# Altium PCB tagIT_pcb.PcbDoc (part 1 of 2)
Units mil, origin at the board's own origin, x right, y up, seen from the top; angles counter-clockwise.
Board outline 2360 x 1710 mil, 2 copper layers (Top Layer, Bottom Layer); 112 components, 75 nets, 348 pads, 298 vias.
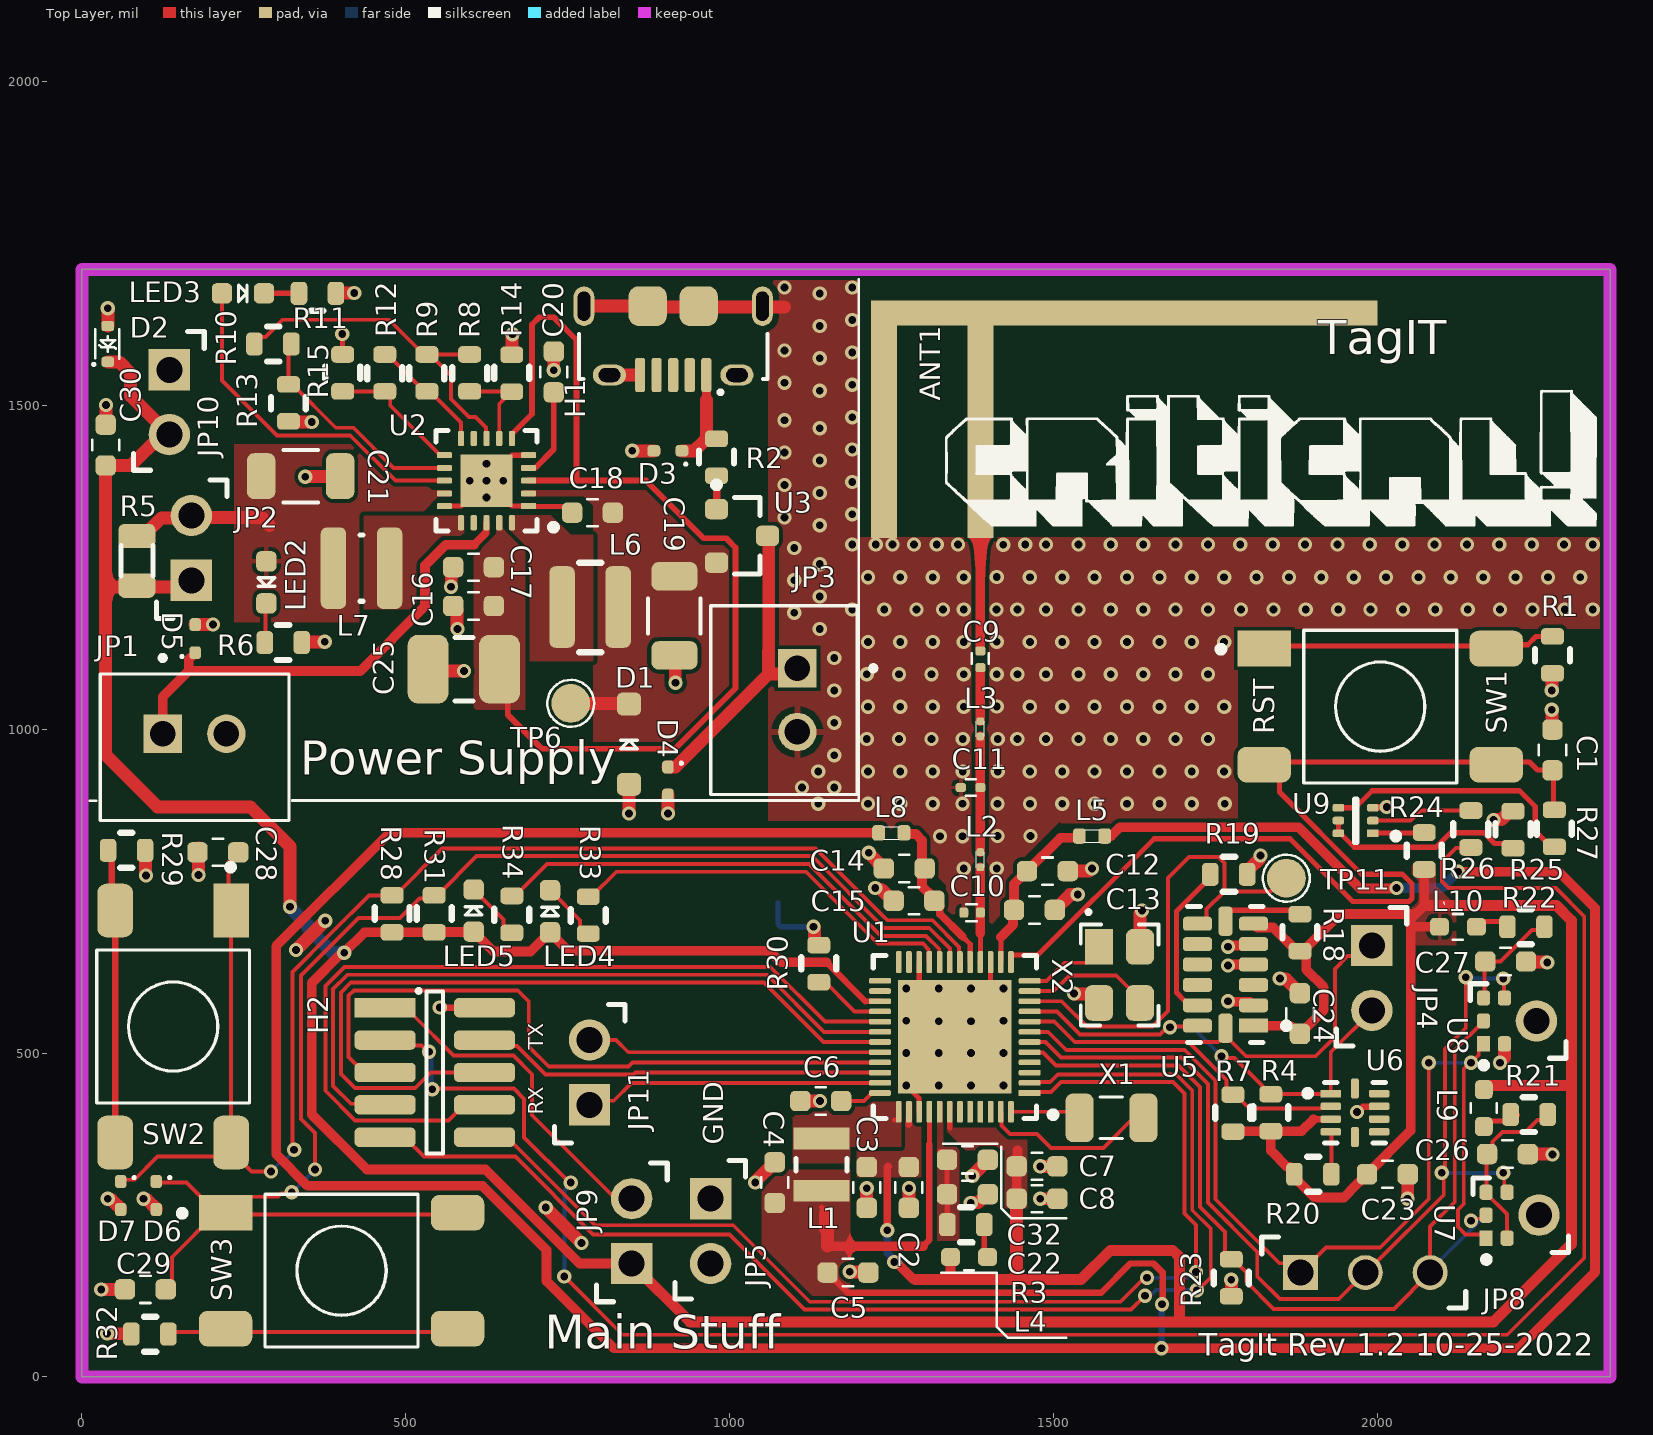
[diagram p0: Top Layer view]
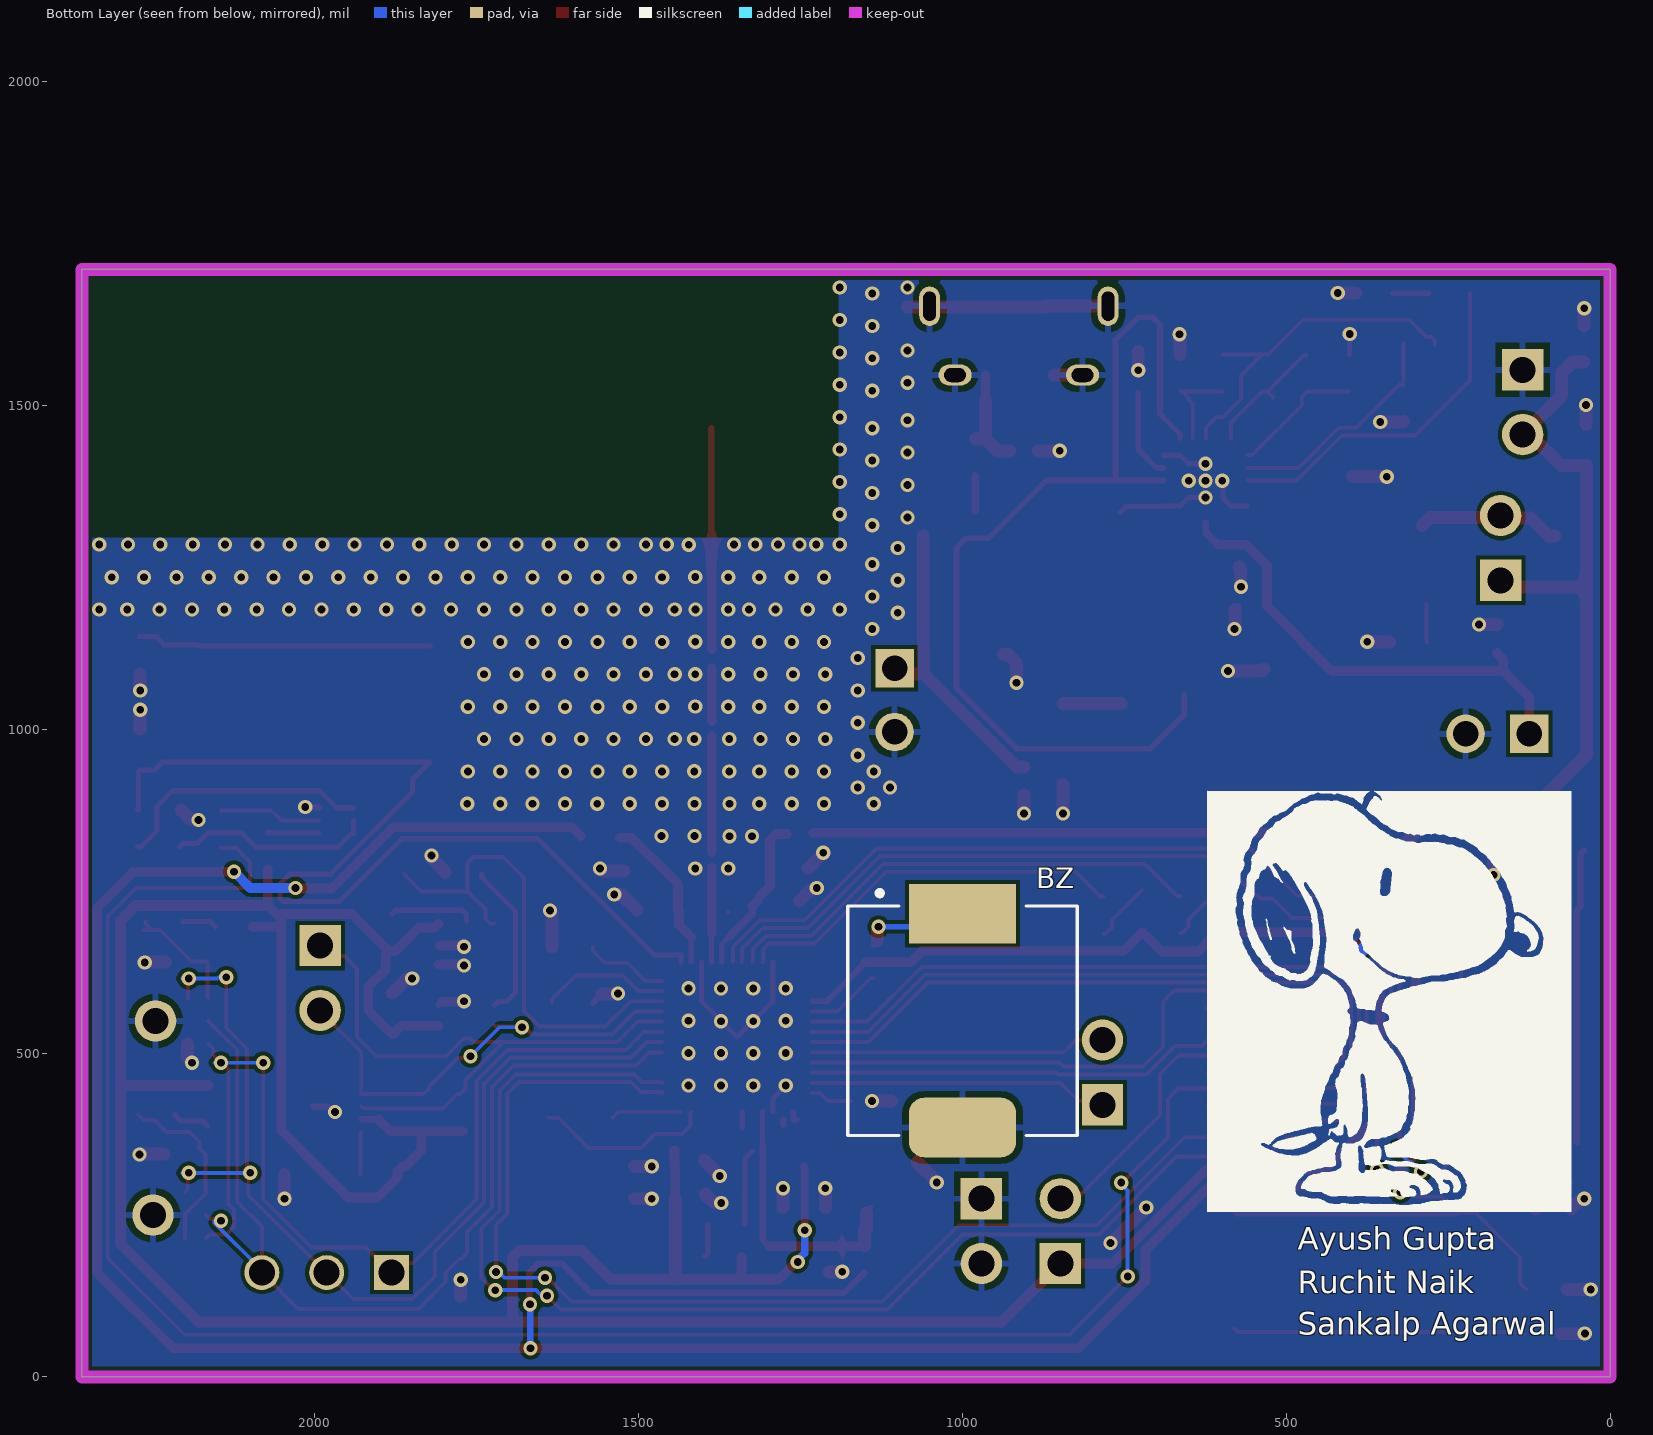
[diagram p1: Bottom Layer view, seen from below]

## Layer stack, top to bottom
Top Solder: solder mask 0.4, Solder Resist, Dk 3.5
Top Layer: signal copper 1.4
Dielectric 1: dielectric 12.6, FR-4, Dk 4.8
Bottom Layer: signal copper 1.4
Bottom Solder: solder mask 0.4, Solder Resist, Dk 3.5

## Board outline
0,0 0,1710 2360,1710 2360,0

## Design rules (kind name [scope] priority, off if disabled: settings)
BoardOutlineClearance [All] p1: gap=10 ignorepadtopadclearanceinfootprint=FALSE except(0: Arc-SplitContinuation Track-SplitContinuation SMDPad-SplitContinuation THPad-SplitContinuation Via-SplitContinuation Fill-SplitContinuation Poly-SplitContinuation Region-SplitContinuation Text-SplitContinuation)
Clearance [All] p1: gap=6 ignorepadtopadclearanceinfootprint=FALSE
MinimumSolderMaskSliver [All] p1: minsoldermaskwidth=1
PolygonConnect [All] p1: thpad.connectstyle=Relief thpad.reliefconductorwidth=10 thpad.reliefentries=4 thpad.polygonreliefangle="90 Angle" thpad.airgapwidth=10 smdpad.connectstyle=Direct smdpad.reliefconductorwidth=10 smdpad.reliefentries=4 smdpad.polygonreliefangle="90 Angle" smdpad.airgapwidth=10 via.connectstyle=Direct via.reliefconductorwidth=10 via.reliefentries=4 via.polygonreliefangle="90 Angle" via.airgapwidth=10
RoutingVias [All] p1: holewidth=12 width=22 viastyle="Through Hole" minholewidth=12 minwidth=14 maxholewidth=16 maxwidth=22
SilkToSolderMaskClearance [IsPad] p1: minsilkscreentomaskgap=1 clearancetoexposedcopper=TRUE
SolderMaskExpansion [All] p1: expansion=4 istentingtop=FALSE
Width [All] p1: maxlimit=25 minlimit=6 preferedwidth=6 minimp=50.000000 maximp=50.000000 favimp=50.000000
28 further rules are at their usual default settings.

## Classes and differential pairs
component class Designator: C16 C17 C18 C19 C20 C21 C25 C30 D1 D2 D3 D4 D5 H1 JP1 JP2 JP3 JP10 L6 L7 LED2 LED3 R2 R5 R6 R8 R9 R10 R11 R12 R13 R14 R15 TP6 U2 U3

## Components (designator, comment, footprint, x,y, rotation, side; value= is the part's Value field where it differs from the comment)
ANT1 "INV_F_ANT" Inv_F_ANT 1218.5,1296.2 r0 top net-tie
BZ "65dB" BUZZER 1000,550 r180 bottom
C1 "0.1uF 10V" CAP0603X08 2271,968 r90 top
C2 "1uF 6.3V" CAP0603X08 1277,292.5 r90 top
C3 "0.1uF 10V" CAP0603X08 1212,292.5 r270 top
C4 "4.7uF" CAP0603X08 1070,300 r270 top
C5 "0.1uF" CAP0603X08 1183,161 r0 top
C6 "2.2uF 6.3V" CAP0603X08 1141,426 r0 top
C7 "1uF 6.3V" CAP0603X08 1475,325 r180 top
C8 "0.1uF 10V" CAP0603X08 1475,275 r0 top
C9 "18pF 25V" CAP0201X03#1 1387.5,1108 r90 top
C10 "2.3pF 50V" CAP0201X03#1 1374.7,716.81 r180 top
C11 "1.6pF 50V" CAP0201X03#2 1372.36,910.04 r0 top
C12 "2.2uF" CAP0603X08 1491,781 r180 top
C13 "18pF 2%" CAP0603X08 1471,721 r180 top
C14 "1uF" CAP0603X08 1270,785 r0 top
C15 "120 pF ±10%" CAP0603X08 1285,735 r0 top
C16 "10nF 10V" CAP0603X08 604.8,1190.38 r180 top
C17 "4.7uF 16V" CAP0603X08 604.8,1250.38 r180 top
C18 "4.7uF 16V" CAP0603X08 788.52,1334.54 r0 top
C19 "22uF 16V" CAP1206X18 915,1175 r90 top
C20 "10nF 10V" CAP0603X08 728.8,1551.79 r270 top
C21 "22uF 16V" CAP1206X18 337.8,1390.79 r180 top
C22 "10nF 10V" CAP0603X08 1367.5,282 r180 top
C23 "10uF 25V" CAP0603X08 2016,312.82 r0 top
C24 "10uF 25V" CAP0603X08 1881,561 r270 top
C25 "1uf 100V" CAPC_1210 589.8,1092.79 r180 top
C26 "10uF" CAP0603X08 2201.5,344 r180 top
C27 "10uF" CAP0603X08 2198.62,641.3 r180 top
C28 "1nF 50V" CAP0603X08 210,810 r0 top
C29 "1nF 50V" CAP0603X08 98,135 r0 top
C30 "10uF 25V" CAP0603X08 36.8,1438.79 r270 top
C32 "10uF" CAP0603X08 1367.5,335 r180 top
D1 "4.7V" SOD-123-2P 845,977.01 r270 top
D2 "3V 300mW" SOD-523 40,1595 r90 top
D3 "TVS" SOD_723 905,1430 r180 top
D4 "TVS" SOD_723 905,920 r270 top
D5 "TVS" SOD_723 175,1140 r90 top
D6 "TVS" SOD_723 115,280 r270 top
D7 "TVS" SOD_723 60,280 r270 top
H1 "USB MICRO B RECPT" MICROUSB_AMPHENOL_10118194-0001LF 913.14,1653.35 r180 top
H2 "Debug Port" Amphenol_20021121_0 545,470 r0 top
JP1 "JST_F_250MM" JST_F250MM 174,993 r180 top
JP2 "0901310121" 2_PIN_2_54_MALE_HDR 170,1280 r90 top
JP3 "JST_F_250MM" JST_F250MM 1105,1045 r90 top
JP4 "0901310121" 2_PIN_2_54_MALE_HDR 1991,616 r270 top
JP5 "GND" 2_PIN_2_54_MALE_HDR 970,225 r270 top
JP8 "22-28-4036" 3_PIN_2_54_MALE_HDR 1982,161 r0 top
JP9 "0901310121" 2_PIN_2_54_MALE_HDR 850,225 r90 top
JP10 "0901310121" 2_PIN_2_54_MALE_HDR 134.02,1505 r270 top
JP11 "0901310121" 2_PIN_2_54_MALE_HDR 785,470 r90 top
L1 "2.2uH 1.9A" INDC1008x47 1141.92,327.6 r270 top
L2 "2.5nH 600mA" INDC0603X016#1 1387.5,798.54 r90 top
L3 "1.7nH 800mA" INDC0603X016#2 1387.5,1000.54 r90 top
L4 "742792631" DIODE_0603 1370,185 r0 top
L5 "74279277" INDC0402x20 1560,835 r180 top
L6 "22uH 500mA" INDP2828X30 784.8,1188.79 r180 top
L7 "10uH 650mA" INDP2828X15 431.8,1248.79 r180 top
L8 "74279277" INDC0402x20 1250,840 r0 top
L9 "742792631" DIODE_0603 2165,415 r270 top
L10 "742792631" DIODE_0603 2125,695 r0 top
LED2 "RED" LED0603X08 284.8,1226.79 r270 top
LED3 "RED" LED0603X08 248.8,1673.21 r0 top
LED4 "RED" LED0603X08 723,719 r90 top
LED5 "RED" LED0603X08 605,720 r90 top
R1 "100R" RES0603X18 2271,1114.79 r90 top
R2 "22 Ohm 0.1W" RES0603X18 980,1420 r270 top
R3 "1R 0.125W" RES0603X18 1365,235 r180 top
R4 "2.8k" RES0603X18 1836,407.82 r270 top
R5 "1R 0.5W sense res" RESC0805x18 85,1260 r270 top
R6 "100R 1/16W" RES0603X18 311,1134 r0 top
R7 "2.8k" RES0603X18 1777.47,407.33 r270 top
R8 "7.32M 0.1W" RES0603X18 598.8,1550.21 r90 top
R9 "412K 0.1W" RES0603X18 532.8,1550.21 r90 top
R10 "7.68M 0.1W" RES0603X18 295,1595 r180 top
R11 "100R 1/16W" RES0603X18 363.8,1673.21 r0 top
R12 "7.5MOhm 1/10W" RES0603X18 467.8,1550.21 r90 top
R13 "5.23M 0.1W" RES0603X18 319,1504 r90 top
R14 "5.49M 0.1W" RES0603X18 663.8,1549.79 r270 top
R15 "4.99M 0.1W" RES0603X18 402.8,1550.21 r270 top
R18 "10k 1/16W" RES0603X18 1881,686 r270 top
R19 "10k 1/16W" RES0603X18 1771,776 r180 top
R20 "10k 1/16W" RES0603X18 1901,312.82 r180 top
R21 "1R 0.125W" RES0603X18 2235,405 r0 top
R22 "1R 0.125W" RES0603X18 2230,695 r0 top
R23 "100k 0.1W" RES0603X18 1775,153 r90 top
R24 "10k 1/16W" RES0603X18 2073,812 r270 top
R25 "100R 1/10W" RES0603X18 2210,845 r270 top
R26 "100R 1/10W" RES0603X18 2145,846 r90 top
R27 "10k 1/16W" RES0603X18 2273.93,846.85 r90 top
R28 "1M 0.1W" RES0603X18 479,715 r270 top
R29 "100R 1/10W" RES0603X18 69,813 r0 top
R30 "100R 1/10W" RES0603X18 1138,638 r270 top
R31 "1M 0.1W" RES0603X18 544,715 r270 top
R32 "100R 1/10W" RES0603X18 105,66 r180 top
R33 "100R 1/16W" RES0603X18 782,713 r90 top
R34 "100R 1/16W" RES0603X18 664,714 r90 top
SW1 "RST" PUSH_BUTTON_4_50MM 2005,1035 r0 top
SW2 "SPST" PUSH_BUTTON_4_50MM 141,541 r270 top
SW3 "B1" PUSH_BUTTON_4_50MM 401,164 r0 top
TP6 "Test_Point" TEST_POINT 755,1040 r90 top
TP11 "Test_Point" TEST_POINT 1860,770 r90 top
U1 "EFR32MG24B310F1536IM48-B" QFN48_6MM_6MM_P040MM 1348.13,524.87 r180 top
U2 "BQ25570RGRT" QFN_20_04MM 624.84,1383.9 r180 top
U3 "SDM40E20LC-7" SOT105P240X120-3N 1019.37,1298.66 r270 top
U5 "ADXL343BCCZ-RL" QFN_14_5x3mm 1766,621 r180 top
U6 "Si1145-A10-GMR" QFN_10_2.00x2.00mm 1966,407.82 r0 top
U7 "ICS-43434" 6-Terminal_Chip_Array 2224,250 r90 top
U8 "ICS-43434" 6-Terminal_Chip_Array 2220,550 r90 top
U9 "NTZD3155CT1G" SOT-563 1967,859 r180 top
X1 "32.768kHz" XTAL_ECS-.327-7-34B-TR 1590,400 r180 top
X2 "39MHz" OSC_38.4MHz 1602.5,620.69 r270 top

## Footprints (in the part's own frame and the unit in brackets; to place one, negate y for a bottom-side part, rotate by r counter-clockwise, add the part's x,y. Pads: shape width x height; smd on the part's side, far side on the other; paste and mask are expansions set on the pad)
2_PIN_2_54_MALE_HDR [mm] "CONN HEADER VERT 2POS 2.54MM"
  rect 1.62x1.62 hole 1.02: 1(-1.27,0.025)
  round 1.62 hole 1.02: 2(1.27,0.025)
  silkscreen extent -2.77,-1.37 2.67,1.4, body extent -2.66,-1.26 2.55,1.28, height 8.38
3_PIN_2_54_MALE_HDR [mm] "CONN HEADER VERT 3POS 2.54MM"
  rect 1.37x1.37 hole 1.02: 1(-2.54,0)
  round 1.37 hole 1.02: 2(0,0) 3(2.54,0)
  silkscreen extent -4.06,-1.4 3.94,1.4, body extent -3.94,-1.27 3.81,1.27, height 8.38
6-Terminal_Chip_Array [mm] "6-Terminal Chip Array Small Outline No Lead Cavity 3.50× 2.65× 0.98mm Body"
  rect 0.6x0.522 smd paste-0.05: 1(-0.91,1.411)
  rrect50% 0.6x0.522 smd paste-0.05 mask+0.102: 2(-0.91,0.589) 4(0.89,0.589) 5(0.89,1.411) 6(-0.01,1.411)
  round 1.62 hole 1.02: 3(-0.009,-0.663)
  silkscreen extent -1.87,-1.83 1.45,1.93, body extent -1.33,-1.75 1.33,1.75, height 0.98
Amphenol_20021121_0 [mm]
  rect 2.4x0.76 smd paste+0 mask+0.051: 1(-1.95,2.54)
  rrect50% 2.4x0.76 smd paste+0 mask+0.051: 2(1.95,2.54) 3(-1.95,1.27) 4(1.95,1.27) 5(-1.95,0) 6(1.95,0) 7(-1.95,-1.27) 8(1.95,-1.27) 9(-1.95,-2.54) 10(1.95,-2.54)
  silkscreen extent -0.71,-3.17 0.33,3.28, body extent -2.75,-3.17 2.75,3.17, height 4.51
BUZZER [mil]
  rect 165.35x92 smd: 1(0,165)
  rrect50% 165.35x92 smd: 2(0,-165)
  silkscreen extent -177,-177 177,201, body extent -177,-182 177,182, height 75
CAP0201X03#1 [mm] "Chip Capacitor, 2-Leads, Body 0.60x0.30mm, IPC Medium Density"
  rrect50% 0.35x0.4 smd mask+0.07: 1(-0.325,0) 2(0.325,0)
  silkscreen extent -0.18,-0.33 0.23,0.33, body extent -0.32,-0.17 0.32,0.17, height 0.33
CAP0201X03#2 [mm] "Chip Capacitor, 2-Leads, Body 0.60x0.30mm, IPC Medium Density"
  rrect50% 0.4x0.35 smd mask+0.07: 1(-0.385,0) 2(0.385,0)
  silkscreen extent -0.2,-0.33 0.21,0.33, body extent -0.32,-0.17 0.32,0.17, height 0.33
CAP0603X08 [mm] "Chip Capacitor, 2-Leads, Body 1.60x0.80mm, IPC Medium Density"
  rrect50% 0.8x0.8 smd mask+0.102: 1(-0.8,0)
  rrect50% 0.8x0.8 smd: 2(0.8,0)
  silkscreen extent -0.2,-0.53 0.2,0.53, body extent -0.9,-0.5 0.9,0.5, height 1
CAP1206X18 [mil]
  rrect50% 44x70.98 smd paste+0: 1(-61,0)
  rrect50% 44x71 smd paste+0: 2(61,0)
  silkscreen extent -27,-40 27,40, body extent -69,-36 69,36, height 71
CAPC_1210 [mm] "Chip Capacitor, 2-Leads, Body 3.20x2.50mm, IPC Medium Density"
  rrect50% 1.6x2.7 smd: 1(-1.4,0) 2(1.4,0)
  silkscreen extent -0.35,-1.25 0.35,1.25, body extent -1.7,-1.35 1.7,1.35, height 1.35
DIODE_0603 [mm]
  rrect50% 0.74x0.7 smd: 1(-0.725,0) 2(0.725,0)
  silkscreen extent -0.19,-0.52 0.19,0.5, body extent -0.8,-0.5 0.8,0.5, height 1
INDC0402x20 [mm] "Chip Inductor, 2-Leads, Body 1.00x0.50mm, IPC Medium Density"
  rrect50% 0.5x0.6 smd: 1(-0.5,0) 2(0.5,0)
  silkscreen extent -0.31,-0.24 0.31,0.24, body extent -0.48,-0.23 0.48,0.23, height 0.55
INDC0603X016#1 [mm] "Chip Inductor, 2-Leads, Body 0.60x0.30mm, IPC Medium Density"
  rrect50% 0.3x0.3 smd: 1(-0.3,0)
  rrect50% 0.3x0.3 smd mask+0.102: 2(0.3,0)
  silkscreen extent -0.31,-0.16 0.31,0.16, body extent -0.29,-0.14 0.29,0.14, height 0.42
INDC0603X016#2 [mm] "Chip Inductor, 2-Leads, Body 0.60x0.30mm, IPC Medium Density"
  rrect50% 0.3x0.3 smd mask+0.102: 2(0.3,0)
  rrect50% 0.3x0.3 smd: ""(-0.3,0)
  silkscreen extent -0.31,-0.16 0.31,0.16, body extent -0.29,-0.14 0.29,0.14, height 0.42
INDC1008x47 [mm] "Chip Inductor, 2-Leads, Body 2.50x2.00mm, IPC Medium Density"
  rect 0.85x2.2 smd: 1(-1.025,0) 2(1.025,0)
  silkscreen extent -0.25,-1 0.25,1, body extent -1.15,-0.9 1.15,0.9, height 1.2
INDP2828X15 [mm] "Precision Wire Wound Inductor, 2-Leads, Body 2.78x2.78mm, IPC Medium Density"
  rrect50% 1x3.2 smd: 1(-1.1,0) 2(1.1,0)
  silkscreen extent -0.05,-1.3 0.05,1.3, body extent -1.49,-1.39 1.49,1.39, height 1.6
INDP2828X30 [mm] "Precision Wire Wound Inductor, 2-Leads, Body 2.80x2.80mm, IPC Medium Density"
  rrect50% 1x3.2 smd: 1(-1.1,0) 2(1.1,0)
  silkscreen extent -0.43,-1.73 0.43,1.78, body extent -1.4,-1.4 1.4,1.4, height 2.8
Inv_F_ANT [mil]
  rect 40x338 smd paste-20 mask+4: FEED(169,168.5) GND(20,168.5)
  rect 782x39 smd paste-19.5 mask+4: FEED(391,346.5)
JST_F250MM [mm]
  rect 1.508x1.508 hole 1: 1(1.25,0)
  round 1.508 hole 1: 2(-1.25,0)
  silkscreen extent -3.7,-3.07 3.7,3.4, body extent -3.7,-2.29 3.7,3.46, height 7
LED0603X08 [mm] "Chip Diode, 2-Leads, Body 1.60x0.80mm, IPC Medium Density"
  rrect50% 0.8x0.8 smd: A(-0.825,0) C(0.825,0)
  silkscreen extent -0.18,-0.33 0.15,0.33, body extent -0.8,-0.4 0.8,0.4, height 0.7
MICROUSB_AMPHENOL_10118194-0001LF [mm]
  rrect50% 0.4x1.35 smd: 1(-1.3,2.7) 2(-0.65,2.7) 3(0,2.7) 4(0.65,2.7) 5(1.3,2.7)
  oval 1.3x0.813 hole 0.55 slot 0.85 at 0 deg: S1(-2.5,2.7) S2(2.5,2.7)
  oval 0.813x1.55 hole 0.5 slot 1.15 at 90 deg: S3(-3.5,0) S6(3.5,0)
  rrect50% 1.5x1.55 smd: S4(-1,0) S5(1,0)
  silkscreen extent -3.7,1.09 3.7,3.45, body extent -4.05,-2.69 4,2.89, height 2.75
OSC_38.4MHz [mm]
  rect 1.4x1.1 smd: 1(-1.1,-0.8)
  rrect50% 1.4x1.1 smd: 2(1.1,-0.8) 3(1.1,0.8) 4(-1.1,0.8)
  silkscreen extent -2.54,-1.52 1.99,1.52
PUSH_BUTTON_4_50MM [mm]
  rect 2.1x1.4 smd: 1(-4.55,2.275)
  rrect50% 2.1x1.4 smd: 2(4.55,2.275) 3(-4.55,-2.275) 4(4.55,-2.275)
  silkscreen extent -6.37,-3 3,3, body extent -5,-3 5,3, height 5.1
QFN48_6MM_6MM_P040MM [mm] "QFN, 48-Leads, Body 6.00x6.00mm, Pitch 0.40mm, Thermal Pad 4.45x4.45mm, IPC Medium Density"
  rect 0.86x0.22 smd paste+0 mask+0.06: 1(-2.935,2.2)
  rrect50% 0.86x0.22 smd mask+0.06: 2(-2.935,1.8) 3(-2.935,1.4) 4(-2.935,1) 5(-2.935,0.6) 6(-2.935,0.2) 7(-2.935,-0.2) 8(-2.935,-0.6) 9(-2.935,-1) 10(-2.935,-1.4) 11(-2.935,-1.8) 12(-2.935,-2.2) 25(2.935,-2.2) 26(2.935,-1.8) 27(2.935,-1.4) 28(2.935,-1) 29(2.935,-0.6) 30(2.935,-0.2) 31(2.935,0.2) 32(2.935,0.6) 33(2.935,1) 34(2.935,1.4) 35(2.935,1.8) 36(2.935,2.2)
  rrect50% 0.22x0.86 smd mask+0.06: 13(-2.2,-2.935) 14(-1.8,-2.935) 15(-1.4,-2.935) 16(-1,-2.935) 17(-0.6,-2.935) 18(-0.2,-2.935) 19(0.2,-2.935) 20(0.6,-2.935) 21(1,-2.935) 22(1.4,-2.935) 23(1.8,-2.935) 24(2.2,-2.935) 37(2.2,2.935) 38(1.8,2.935) 39(1.4,2.935) 40(1,2.935) 41(0.6,2.935) 42(0.2,2.935) 43(-0.2,2.935) 44(-0.6,2.935) 45(-1,2.935) 46(-1.4,2.935) 47(-1.8,2.935) 48(-2.2,2.935)
  rect 4.45x4.45 smd paste-100: 49(0,0)
  silkscreen extent -3.98,-3.2 3.2,3.2, body extent -3.07,-3.07 3.07,3.07, height 0.8
QFN_10_2.00x2.00mm [mm] "QFN, 10-Leads, Body 2.00x2.00mm, Pitch 0.00mm/0.50mm, IPC Medium Density"
  rect 0.8x0.3 smd mask+0.05: 1(-0.95,0.75)
  rrect50% 0.8x0.3 smd mask+0.05: 2(-0.95,0.25) 3(-0.95,-0.25) 4(-0.95,-0.75) 6(0.95,-0.75) 7(0.95,-0.25) 8(0.95,0.25) 9(0.95,0.75)
  rrect50% 0.3x0.8 smd mask+0.05: 5(0,-0.95) 10(0,0.95)
  silkscreen extent -1.98,-1.19 1.2,1.19, body extent -1.08,-1.08 1.08,1.08, height 0.75
QFN_14_5x3mm [mm] "QFN, 14-Leads, Body 3.00x5.00mm, Pitch 0.00mm/0.80mm, Thermal Pad 0.00x0.00mm, IPC Medium Density"
  rect 1.145x0.55 smd: 1(-1.098,2)
  rrect50% 1.145x0.55 smd: 2(-1.098,1.2) 3(-1.098,0.4) 4(-1.098,-0.4) 5(-1.098,-1.2) 6(-1.098,-2) 8(1.097,-2) 9(1.097,-1.2) 10(1.097,-0.4) 11(1.097,0.4) 12(1.097,1.2) 13(1.097,2)
  rrect50% 0.55x1.145 smd: 7(0,-2.098) 14(0,2.097)
  silkscreen extent -2.51,-2.67 1.48,2.67, body extent -1.56,-2.56 1.56,2.56, height 1.01
QFN_20_04MM [mm]
  rect 0.6x0.24 smd mask+0.07: 1(-1.65,1)
  rrect50% 0.6x0.24 smd mask+0.07: 2(-1.65,0.5) 3(-1.65,0) 4(-1.65,-0.5) 5(-1.65,-1) 11(1.65,-1) 12(1.65,-0.5) 13(1.65,0) 14(1.65,0.5) 15(1.65,1)
  rrect50% 0.24x0.6 smd mask+0.07: 6(-1,-1.65) 7(-0.5,-1.65) 8(0,-1.65) 9(0.5,-1.65) 10(1,-1.65) 16(1,1.65) 17(0.5,1.65) 18(0,1.65) 19(-0.5,1.65) 20(-1,1.65)
  rect 2.05x2.05 smd paste-100 mask+0.07: 21(0,0)
  silkscreen extent -2.75,-1.97 1.97,1.97, body extent -1.88,-1.88 1.88,1.88, height 1
RES0603X18 [mm] "Chip Resistor, 2-Leads, Body 1.55x0.80mm, IPC Medium Density"
  rrect50% 0.65x0.9 smd: 1(-0.725,0) 2(0.725,0)
  silkscreen extent -0.25,-0.69 0.23,0.69, body extent -0.76,-0.4 0.79,0.4, height 0.44
RESC0805x18 [mm] "Chip Resistor, 2-Leads, Body 2.05x1.25mm, IPC Medium Density"
  rrect50% 0.95x1.45 smd: 1(-0.975,0) 2(0.975,0)
  silkscreen extent -0.6,-0.63 0.6,0.63, body extent -0.95,-0.55 0.95,0.55, height 0.5
SOD-123-2P [mm] "SODFL, 2-Leads, Body 1.55x3.70mm, IPC Medium Density"
  rrect50% 0.9x0.95 smd: 1(-1.575,0) 2(1.575,0)
  silkscreen extent -0.15,-0.33 0.18,0.33, body extent -1.85,-0.85 1.85,0.85, height 1.35
SOD-523 [mm] "SOD-523, 2-Leads, Body 0.80x1.60mm, IPC Medium Density"
  rrect50% 0.4x0.5 smd: 1(-0.7,0) 2(0.7,0)
  silkscreen extent -0.85,-0.46 0.58,0.6, body extent -0.8,-0.43 0.8,0.43, height 0.65
SOD_723 [mm]
  rrect50% 0.5x0.45 smd: 1(-0.55,0) 2(0.55,0)
  silkscreen extent -0.75,0.48 -0.65,0.57, body extent -0.7,-0.33 0.7,0.33, height 0.65
SOT105P240X120-3N [mm] "SOT23, 3-Leads, Body 2.90x2.40mm, Pitch 1.05mm, IPC Medium Density"
  rrect50% 0.8x0.9 smd: 1(-1.05,-1) 2(1.05,-1) 3(0,1)
  silkscreen extent -2.12,-1.12 1.5,0.7, body extent -1.5,-1.25 1.5,1.25, height 1.2
SOT-563 [mm] "SOTFL, 6-Leads, Body 1.60x1.60mm, Pitch 0.50mm, IPC Medium Density"
  rect 0.45x0.3 smd mask+0.06: 1(-0.675,0.5)
  rrect50% 0.45x0.3 smd mask+0.06: 2(-0.675,0) 3(-0.675,-0.5) 4(0.675,-0.5) 5(0.675,0) 6(0.675,0.5)
  silkscreen extent -1.7,-0.85 0.05,0.85, body extent -0.65,-0.85 0.65,0.85, height 0.6
TEST_POINT [mil]
  round 60 smd: 1(0,0)
  silkscreen extent -36,-36 36,36
XTAL_ECS-.327-7-34B-TR [mm]
  rrect50% 1.1x1.9 smd: 1(-1.25,0) 2(1.25,0)
  silkscreen extent -0.43,-0.81 0.45,0.81, body extent -1.6,-0.75 1.6,0.75, height 0.9

## Part data
BZ: library part CPT-9019S-SMT-TR, "9 mm, 25 Vp-p Vdc, 65 dB, Surface Mount (SMT), Piezo Audio Transducer Buzzer", Frequency=4kHz, Manufacturer=CUI, Max Operating Temperature=70°C, Min Operating Temperature=-30°C, Operating Supply Current=5mA, Voltage Rating=3V, Category="Audio Products", ComponentLink1Description=https://www.cui.com/product/resource/digikeypdf/cpt-9019s-smt.pdf?src-supplier=Digi-Key, ComponentLink1URL=https://www.cui.com/product/resource/digikeypdf/cpt-9019s-smt.pdf?src-supplier=Digi-Key, Lead Free="Lead Free", Length=9mm, Manufacturer Part Number=CPT-9019S-SMT-TR, Mount="Surface Mount", Packaging="Tape and Reel", RoHS=Yes, Supplier 1="Future Electronics", Termination=Solder, Width=9mm
C1 C3 C5 C8: library part GMC10X5R104K10NTD, "0.1 µF ±10% 10V Ceramic Capacitor X5R 0603 (1608 Metric)"
C2 C7: library part CL10A105KQ8NNNC, "Cap Ceramic 1uF 6.3V X5R 10% SMD 0603 85°C Paper T/R", Capacitance=1uF, Case Code (Imperial)=0603, Case Code (Metric)=1608, Dielectric=X5R, Manufacturer=Samsung, Max Operating Temperature=85°C, Min Operating Temperature=-55°C, Package Quantity=1, Tolerance=10%, Voltage Rating=6.3V, Case/Package=0603, Category="Ceramic Capacitors", ComponentLink1Description=https://datasheet.ciiva.com/25801/cl10a105kq8nnnc-25801975.pdf?src-supplier=Digi-Key, ComponentLink1URL=https://datasheet.ciiva.com/25801/cl10a105kq8nnnc-25801975.pdf?src-supplier=Digi-Key, ComponentLink2Description=https://datasheet.ciiva.com/26838/getdatasheetpartid-355285-26838337.pdf?src-supplier=Verical, ComponentLink2URL=https://datasheet.ciiva.com/26838/getdatasheetpartid-355285-26838337.pdf?src-supplier=Verical, ComponentLink3Description=https://datasheet.ciiva.com/16199/cl10a105ko8nnnc-16199274.pdf?src-supplier=Future+Electronics, ComponentLink3URL=https://datasheet.ciiva.com/16199/cl10a105ko8nnnc-16199274.pdf?src-supplier=Future+Electronics, Construction=Flat, Depth=0.8mm, Height=0.8mm, Lead Free="Lead Free", Length=1.6mm, Manufacturer Part Number=CL10A105KQ8NNNC, Mount="Surface Mount", Packaging="Tape and Reel", Pricing 1="1=0.10000, 10=0.02900, 50=0.01560, 100=0.01270, 500=0.00908, 1000=0.00714 (USD)", Radiation Hardening=No, RoHS=Yes, RoHS Compliant=Yes, Series=CL, Stock 1=753640, Supplier 1=Digi-Key, Thickness=0.035inch, Voltage Rating (DC)=6.3V, Width=0.031inch
C4: library part C1608X5R1C475M080AC, "C Series 0603 4.7 uF 16 V ±20 % Tolerance X5R SMT Multilayer Ceramic Capacitor", Case Code (Imperial)=0603, Case Code (Metric)=1608, Dielectric=X5R, Dielectric Material=Ceramic, Manufacturer=TDK, Max Operating Temperature=85°C, Min Operating Temperature=-55°C, Package Quantity=1, Tolerance=20%, Voltage Rating=16V, Capacitance=4.7uF, Case/Package=0603, Category="Ceramic Capacitors", ComponentLink1Description=https://datasheet.ciiva.com/6251/tdkmlcccaprange-6251689.pdf?src-supplier=Digi-Key, ComponentLink1URL=https://datasheet.ciiva.com/6251/tdkmlcccaprange-6251689.pdf?src-supplier=Digi-Key, ComponentLink2Description=https://datasheet.ciiva.com/6251/tdkmlcccaprange-6251693.pdf?src-supplier=Digi-Key, ComponentLink2URL=https://datasheet.ciiva.com/6251/tdkmlcccaprange-6251693.pdf?src-supplier=Digi-Key, Construction=Flat, Depth=0.8mm, Height=0.8mm, Lead Free="Lead Free", Length=1.6mm, Manufacturer Part Number=C1608X5R1C475M080AC, Mount="Surface Mount", Packaging="Tape and Reel", Pricing 1="1=0.27250, 10=0.12950, 25=0.12820, 50=0.12580, 100=0.10640 (USD)", REACH SVHC="No SVHC", RoHS=Yes, RoHS Compliant=Yes, Series=C, Stock 1=175, Supplier 1="Arrow Electronics", Thickness=0.035inch, Voltage Rating (DC)=16V, Width=0.031inch
C6: library part JMK107BJ225MAHT, "Cap Ceramic 2.2uF 6.3V X5R 20% Pad SMD 0603 85C Low ESR Automotive T/R", Capacitance=2.2uF, Case/Package=0603, Manufacturer="Taiyo Yuden", Max Operating Temperature=85°C, Min Operating Temperature=-55°C, Ratings=AEC-Q200, Tolerance=20%, Voltage Rating=6.3V, Category="Ceramic Capacitors", ComponentLink1Description=http://ds.yuden.co.jp/TYCOMPAS/ut/detail.do?productNo=JMK107BJ225MAHT&fileName=JMK107BJ225MAHT_SS&mode=specSheetDownload&src-supplier=Digi-Key, ComponentLink1URL=http://ds.yuden.co.jp/TYCOMPAS/ut/detail.do?productNo=JMK107BJ225MAHT&fileName=JMK107BJ225MAHT_SS&mode=specSheetDownload&src-supplier=Digi-Key, Manufacturer Part Number=JMK107BJ225MAHT, Mount="Surface Mount", Packaging="Tape and Reel", Pricing 1="1=0.14000, 10=0.10100, 50=0.05720, 100=0.04740, 500=0.03326, 1000=0.02754 (USD)", RoHS=Yes, RoHS Compliant=Yes, Stock 1=4361, Supplier 1=Digi-Key
C9: library part GJM0335C1E180GB01D, "0201 18 pF 25 V ±2% Tolerance C0G SMT Multilayer Ceramic Capacitor", Capacitance=18pF, Case Code (Imperial)=0201, Case Code (Metric)=0603, Dielectric=C0G, Manufacturer=Murata, Max Operating Temperature=125°C, Min Operating Temperature=-55°C, Package Quantity=15000, Resistor Type=Ceramic, Tolerance=2%, Voltage Rating (DC)=25V, Case/Package=0201, Category="Ceramic Capacitors", ComponentLink1Description=http://www.mouser.com/ds/2/281/c02e-2905.pdf?src-supplier=Mouser, ComponentLink1URL=http://www.mouser.com/ds/2/281/c02e-2905.pdf?src-supplier=Mouser, ComponentLink2Description=http://search.murata.co.jp/Ceramy/image/img/A01X/G101/ENG/GJM0335C1E180GB01-01.pdf?src-supplier=Digi-Key, ComponentLink2URL=http://search.murata.co.jp/Ceramy/image/img/A01X/G101/ENG/GJM0335C1E180GB01-01.pdf?src-supplier=Digi-Key, ComponentLink3Description=https://search.murata.co.jp/Ceramy/image/img/A01X/G101/ENG/GJM0335C1E180GB01-01.pdf?src-supplier=Digi-Key, ComponentLink3URL=https://search.murata.co.jp/Ceramy/image/img/A01X/G101/ENG/GJM0335C1E180GB01-01.pdf?src-supplier=Digi-Key, Height=0.3mm, Lead Free="Lead Free", Length=0.6mm, Manufacturer Part Number=GJM0335C1E180GB01D, Packaging="Tape and Reel", Pricing 1="1=0.14000, 10=0.10100, 50=0.05720, 100=0.04740, 500=0.03326, 1000=0.02754, 2500=0.02563, 5000=0.02345 (USD)", RoHS=Yes, RoHS Compliant=Yes, Stock 1=487364, Supplier 1=Digi-Key, Termination=SMD/SMT, Thickness=300um, Weight=1.2E-05oz, Width=0.3mm
C10: library part GRM0335C1H2R3BA01D, "Cap Ceramic 2.3pF 50V C0G 0.1pF Pad SMD 0201 125C T/R", Capacitance=2.3pF, Case Code (Imperial)=0201, Case Code (Metric)=0603, Dielectric=C0G, Manufacturer=Murata, Max Operating Temperature=125°C, Min Operating Temperature=-55°C, Package Quantity=15000, Voltage Rating=50V, Case/Package=0201, Category="Ceramic Capacitors", ComponentLink1Description=https://datasheet.ciiva.com/29538/partnumbering-e-01-29538539.pdf?src-supplier=Digi-Key, ComponentLink1URL=https://datasheet.ciiva.com/29538/partnumbering-e-01-29538539.pdf?src-supplier=Digi-Key, Height=0.3mm, Length=0.024inch, Manufacturer Part Number=GRM0335C1H2R3BA01D, Mount="Surface Mount", Packaging="Tape and Reel", Pricing 1="1=0.10000, 10=0.01800, 50=0.00960, 100=0.00790, 500=0.00566, 1000=0.00444, 2500=0.00404, 5000=0.00372 (USD)", RoHS=Yes, RoHS Compliant=Yes, Series=GRM, Stock 1=43500, Supplier 1=Digi-Key, Termination=SMD/SMT, Thickness=0.013inch, Voltage Rating (DC)=50V, Width=0.3mm
C11: library part GRM0335C1H1R6WA01D, "Cap 1.6PF 50VDC C0G 0.05PF SMD 0201 Paper Tape", Capacitance=1.6pF, Case Code (Imperial)=0201, Case Code (Metric)=0603, Dielectric=C0G, Manufacturer=Murata, Package Quantity=15000, Voltage Rating (DC)=50V, Case/Package=0201, Category="Ceramic Capacitors", ComponentLink1Description=http://www.mouser.com/ds/2/281/c02e-2905.pdf?src-supplier=Mouser, ComponentLink1URL=http://www.mouser.com/ds/2/281/c02e-2905.pdf?src-supplier=Mouser, Length=600um, Manufacturer Part Number=GRM0335C1H1R6WA01D, Packaging="Tape and Reel", RoHS=Yes, RoHS Compliant=Yes, Supplier 1=Digi-Key, Thickness=300um, Weight=1.2E-05oz, Width=300um
C12: library part CGA3E1X7R0J225K080AC, "Cap Ceramic 2.2uF 6.3V X7R 10% Pad SMD 0603 125C Automotive T/R", Case Code (Imperial)=0603, Case Code (Metric)=1608, Dielectric=X7R, Manufacturer=TDK, Max Operating Temperature=125°C, Min Operating Temperature=-55°C, Package Quantity=1, Ratings=AEC-Q200, Resistor Type=Ceramic, Tolerance=10%, Voltage Rating=6.3V, Capacitance=2.2uF, Case/Package=0603, Category="Ceramic Capacitors", ComponentLink1Description=https://datasheet.ciiva.com/24219/cga3e1x7r0j225k080ac-265889-24219571.pdf?src-supplier=Mouser, ComponentLink1URL=https://datasheet.ciiva.com/24219/cga3e1x7r0j225k080ac-265889-24219571.pdf?src-supplier=Mouser, ComponentLink2Description=https://datasheet.ciiva.com/22718/1796654-22718047.pdf?src-supplier=Element14, ComponentLink2URL=https://datasheet.ciiva.com/22718/1796654-22718047.pdf?src-supplier=Element14, ComponentLink3Description=https://datasheet.ciiva.com/28576/1796654-28576764.pdf?src-supplier=Element14, ComponentLink3URL=https://datasheet.ciiva.com/28576/1796654-28576764.pdf?src-supplier=Element14, Depth=0.8mm, Height=0.8mm, Lead Free="Lead Free", Length=1.6mm, Manufacturer Part Number=CGA3E1X7R0J225K080AC, Mount="Surface Mount", Packaging="Tape and Reel", Pricing 1="1=0.22000, 10=0.15200, 50=0.09080, 100=0.07680, 500=0.05252, 1000=0.04646 (USD)", REACH SVHC="No SVHC", RoHS=Yes, RoHS Compliant=Yes, Series=CGA, Stock 1=2804985, Supplier 1=Digi-Key, Termination=SMD/SMT, Thickness=0.035inch, Voltage Rating (DC)=6.3V, Weight=7.1E-05oz, Width=0.031inch